# Altium PCB CSI2-IMX8M-EVK_Rev02.PcbDoc (part 1 of 2) (continued)
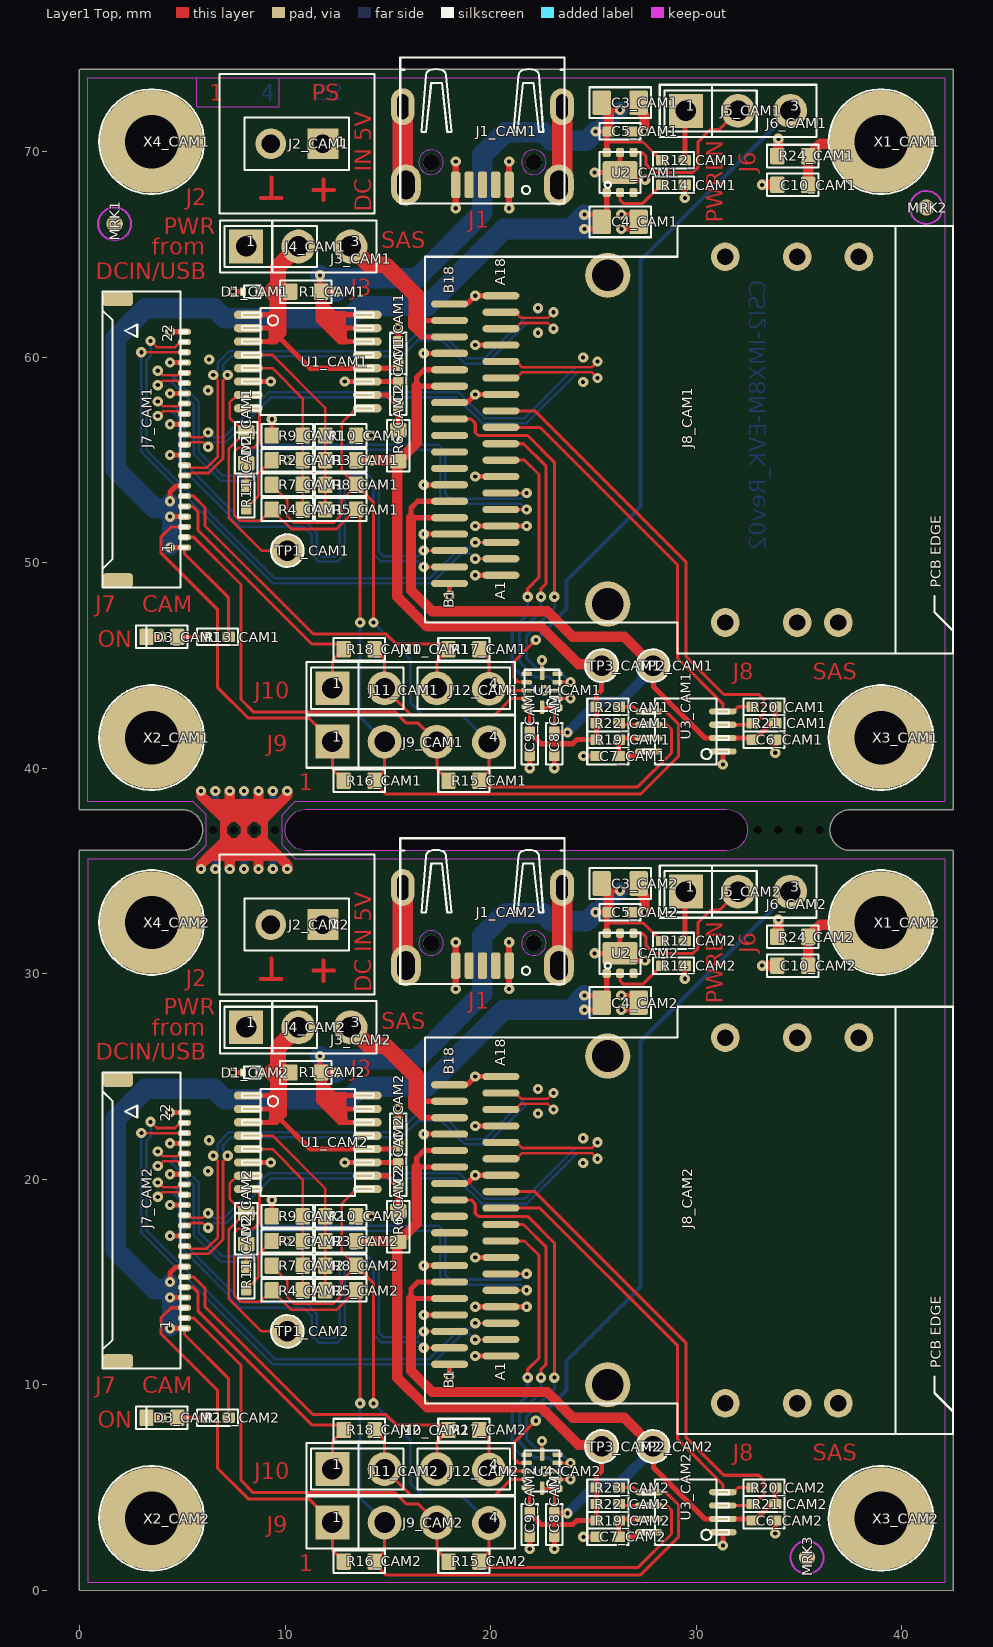
[diagram p0: Layer1 Top view]
## Components (designator, comment, footprint, x,y, rotation, side; value= is the part's Value field where it differs from the comment) (continued)
R20_CAM1 "2k0" R-0402_0.4 33.3,43 r180 top (schematic designator R20)
R20_CAM2 "2k0" R-0402_0.4 33.3,5 r180 top (schematic designator R20)
R21_CAM1 "2k0" R-0402_0.4 33.3,42.2 r180 top (schematic designator R21)
R21_CAM2 "2k0" R-0402_0.4 33.3,4.2 r180 top (schematic designator R21)
R22_CAM1 "2k0" R-0402_0.4 25.7,42.2 r180 top (schematic designator R22)
R22_CAM2 "2k0" R-0402_0.4 25.7,4.2 r180 top (schematic designator R22)
R23_CAM1 "2k0" R-0402_0.4 25.7,43 r180 top (schematic designator R23)
R23_CAM2 "2k0" R-0402_0.4 25.7,5 r180 top (schematic designator R23)
R24_CAM1 "0R0" R-0603_0.6 34.7,69.8 r180 top (schematic designator R24)
R24_CAM2 "0R0" R-0603_0.6 34.7,31.8 r180 top (schematic designator R24)
T1 "PCB Text TOP" "PCB TEXTFIELD TOP 2" 47.85,8.4 r0 top locked
T2 "PCB Text BOT" "PCB TEXTFIELD BOT 2" 47.85,8.4 r180 bottom locked
TP1_CAM1 "TP" TP_16_10 10.1,50.6 r90 top (schematic designator TP1)
TP1_CAM2 "TP" TP_16_10 10.1,12.6 r90 top (schematic designator TP1)
TP2_CAM1 "TP" TP_16_10 27.9,45 r270 top (schematic designator TP2)
TP2_CAM2 "TP" TP_16_10 27.9,7 r270 top (schematic designator TP2)
TP3_CAM1 "TP" TP_16_10 25.4,45 r0 top (schematic designator TP3)
TP3_CAM2 "TP" TP_16_10 25.4,7 r0 top (schematic designator TP3)
U1_CAM1 "INA260AIPWR" "IC-TSSOP16 6.4x5.1x1.2" 11.1,59.8 r0 top (schematic designator U1)
U1_CAM2 "INA260AIPWR" "IC-TSSOP16 6.4x5.1x1.2" 11.1,21.8 r0 top (schematic designator U1)
U2_CAM1 "TPS25200DRVT" IC-DFN06_2.0x2.0x0.8#1 26.3,69 r0 top (schematic designator U2)
U2_CAM2 "TPS25200DRVT" IC-DFN06_2.0x2.0x0.8#2 26.3,31 r0 top (schematic designator U2)
U3_CAM1 "PCA9306DCTR" IC-TSSOP8_3.15x4.25x1.3 29.5,41.8 r180 top (schematic designator U3)
U3_CAM2 "PCA9306DCTR" IC-TSSOP8_3.15x4.25x1.3 29.5,3.8 r180 top (schematic designator U3)
U4_CAM1 "NTB0104GU12,115" IC-XQFN12_1.7X2X0.5#1 22.5,43.8 r180 top (schematic designator U4)
U4_CAM2 "NTB0104GU12,115" IC-XQFN12_1.7X2X0.5#2 22.5,5.8 r180 top (schematic designator U4)
X1_CAM1 "Hole" HOLE-2.6-5.0-DK 39,70.5 r0 top (schematic designator X1)
X1_CAM2 "Hole" HOLE-2.6-5.0-DK 39,32.5 r0 top (schematic designator X1)
X2_CAM1 "Hole" HOLE-2.6-5.0-DK 3.5,41.5 r0 top (schematic designator X2)
X2_CAM2 "Hole" HOLE-2.6-5.0-DK 3.5,3.5 r0 top (schematic designator X2)
X3_CAM1 "Hole" HOLE-2.6-5.0-DK 39,41.5 r0 top (schematic designator X3)
X3_CAM2 "Hole" HOLE-2.6-5.0-DK 39,3.5 r0 top (schematic designator X3)
X4_CAM1 "Hole" HOLE-2.6-5.0-DK 3.5,70.5 r0 top (schematic designator X4)
X4_CAM2 "Hole" HOLE-2.6-5.0-DK 3.5,32.5 r0 top (schematic designator X4)

## Footprints (in the part's own frame and the unit in brackets; to place one, negate y for a bottom-side part, rotate by r counter-clockwise, add the part's x,y. Pads: shape width x height; smd on the part's side, far side on the other; paste and mask are expansions set on the pad)
C-0402_0.55 [mm]
  rrect20% 0.6x0.5 smd: 1(-0.55,0) 2(0.55,0)
  silkscreen extent -1,-0.4 1,0.4, body extent -0.53,-0.27 0.54,0.28, height 0.55
C-0603_1.0 [mm]
  rrect20% 0.7x0.8 smd: 1(-0.75,0) 2(0.75,0)
  silkscreen extent -1.25,-0.55 1.25,0.55, body extent -0.9,-0.5 0.9,0.5, height 0.99
C-0805_1.4 [mm]
  rrect20% 0.9x1.2 smd: 1(-0.9,0) 2(0.9,0)
  silkscreen extent -1.5,-0.75 1.5,0.75, body extent -1.1,-0.7 1.1,0.7, height 1.4
"CON 1x2 RM2.54" [mm]
  rect 1.5x1.5 hole 0.9: 1(0,0)
  round 1.5 hole 0.9: 2(2.54,0)
  silkscreen extent -1.27,-1.27 3.81,1.27, body extent -1.26,-1.27 3.82,1.27, height 8.57
"CON 1x3 RM2.54" [mm]
  rect 1.65x1.65 hole 1: 1(0,0)
  round 1.65 hole 1: 2(2.54,0) 3(5.08,0)
  silkscreen extent -1.27,-1.27 6.35,1.27, body extent -1.28,-1.27 6.34,1.27, height 8.57
"CON 1x4 RM2.54" [mm] "RM2.54 Connector 1x4"
  rect 1.65x1.65 hole 1: 1(0,0)
  round 1.65 hole 1: 2(2.54,0) 3(5.08,0) 4(7.62,-0.025)
  silkscreen extent -1.27,-1.27 8.89,1.27, body extent -1.28,-1.26 8.88,1.28, height 8.57
D-0603-LED [mm] "Osram Chip LED 0603"
  rrect20% 0.7x0.8 smd: A(0.75,0) K(-0.75,0)
  silkscreen extent -1.25,-0.55 1.25,0.55, body extent -0.82,-0.36 0.83,0.36, height 0.67
D-SOD923 [mm]
  rrect20% 0.3x0.4 smd: A(-0.45,0) K(0.45,0)
  silkscreen extent -0.5,-0.3 0.5,0.3, body extent -0.4,-0.3 0.4,0.3, height 0.4
HOLE-2.6-5.0-DK [mm]
  round 5 hole 2.6: 1(0,0)
  silkscreen extent -2.55,-2.55 2.55,2.55
IC-DFN06_2.0x2.0x0.8#1 [mm]
  rrect50% 0.4x0.45 smd paste-0.02: 1(-0.65,-0.975) 2(0,-0.975) 3(0.65,-0.975) 4(0.65,0.975) 5(0,0.975) 6(-0.65,0.975)
  rrect20% 1.7x1.1 smd paste-9: 7(0,0)
  silkscreen extent -1,-1 1,1, body extent -1,-1 1,1, height 0.85
IC-DFN06_2.0x2.0x0.8#2 [mm]
  rrect50% 0.4x0.45 smd: 1(-0.65,-0.975) 2(0,-0.975) 3(0.65,-0.975) 4(0.65,0.975) 5(0,0.975) 6(-0.65,0.975)
  rrect20% 1.7x1.1 smd: 7(0,0)
  silkscreen extent -1,-1 1,1, body extent -1,-1 1,1, height 0.85
IC-TSSOP8_3.15x4.25x1.3 [mm]
  oval 1.35x0.3 smd: 1(-1.8,0.975) 2(-1.8,0.325) 3(-1.8,-0.325) 4(-1.8,-0.975) 5(1.8,-0.975) 6(1.8,-0.325) 7(1.8,0.325) 8(1.8,0.975)
  silkscreen extent -2.1,-1.6 2.1,1.6, body extent -1.5,-1.6 1.5,1.6, height 1.35
"IC-TSSOP16 6.4x5.1x1.2" [mm]
  oval 1.4x0.4 smd: 1(-2.9,2.275) 2(-2.9,1.625) 3(-2.9,0.975) 4(-2.9,0.325) 5(-2.9,-0.325) 6(-2.9,-0.975) 7(-2.9,-1.625) 8(-2.9,-2.275) 9(2.9,-2.275) 10(2.9,-1.625) 11(2.9,-0.975) 12(2.9,-0.325) 13(2.9,0.325) 14(2.9,0.975) 15(2.9,1.625) 16(2.9,2.275)
  silkscreen extent -3.2,-2.6 3.2,2.6, body extent -3.2,-2.5 3.2,2.5, height 1.1
IC-XQFN12_1.7X2X0.5#1 [mm]
  rrect50% 0.5x0.32 smd paste-0.025 mask+0.05: 1(-0.75,0.85)
  rrect50% 0.5x0.22 smd paste-0.025 mask+0.05: 2(-0.75,0.4) 3(-0.75,0) 4(-0.75,-0.4) 5(-0.75,-0.8) 7(0.75,-0.8) 8(0.75,-0.4) 9(0.75,0) 10(0.75,0.4) 11(0.75,0.8)
  rrect50% 0.22x0.65 smd paste-0.02 mask+0.05: 6(0,-0.825)
  rrect50% 0.22x0.65 smd paste-0.025 mask+0.05: 12(0,0.825)
  silkscreen extent -0.85,-1 0.85,1, body extent -0.85,-1 0.85,1, height 0.6
IC-XQFN12_1.7X2X0.5#2 [mm]
  rrect50% 0.5x0.32 smd: 1(-0.75,0.85)
  rrect50% 0.5x0.22 smd: 2(-0.75,0.4) 3(-0.75,0) 4(-0.75,-0.4) 5(-0.75,-0.8) 7(0.75,-0.8) 8(0.75,-0.4) 9(0.75,0) 10(0.75,0.4) 11(0.75,0.8)
  rrect50% 0.22x0.65 smd: 6(0,-0.825) 12(0,0.825)
  silkscreen extent -0.85,-1 0.85,1, body extent -0.85,-1 0.85,1, height 0.6
J-757830132 [mm]
  round 1.4 hole 0.8: 1(-8.9,-5.72) 2(-8.9,-9.22) 3(-8.9,-11.22) 4(8.9,-12.22) 5(8.9,-9.22) 6(8.9,-5.72)
  round 2.2 hole 1.55: 7(-8,0) 8(8,0)
  oval 0.35x1.8 smd: A1(-6.6,5.2) A2(-5.8,5.2) A3(-5,5.2) A4(-4.2,5.2) A5(-3.4,5.2) A6(-2.6,5.2) A7(-1.8,5.2) A8(-1,5.2) A9(-0.2,5.2) A10(0.6,5.2) A11(1.4,5.2) A12(2.2,5.2) A13(3,5.2) A14(3.8,5.2) A15(4.6,5.2) A16(5.4,5.2) A17(6.2,5.2) A18(7,5.2) B1(-7,7.7) B2(-6.2,7.7) B3(-5.4,7.7) B4(-4.6,7.7) B5(-3.8,7.7) B6(-3,7.7) B7(-2.2,7.7) B8(-1.4,7.7) B9(-0.6,7.7) B10(0.2,7.7) B11(1,7.7) B12(1.8,7.7) B13(2.6,7.7) B14(3.4,7.7) B15(4.2,7.7) B16(5,7.7) B17(5.8,7.7) B18(6.6,7.7)
  silkscreen extent -10.4,-16.8 10.4,8.9, body extent -9.17,-16.84 9.18,9.14, height 15.18
J-629105150521 [mm]
  rrect50% 0.45x1.3 smd: 1(-1.3,0) 2(-0.65,0) 3(0,0) 4(0.65,0) 5(1.3,0)
  oval 1.15x1.8 hole 0.55 slot 1.2 at 90 deg: 6(-3.875,-3.8) 9(3.875,-3.8)
  oval 1.45x2 hole 0.85 slot 1.4 at 90 deg: 7(-3.725,0) 8(3.725,0)
  round 0.8 hole 0.8 unplated: ""(-2.5,-1.1) ""(2.5,-1.1)
  Keep-Out Layer circle w0.025: c-2.5,-1.1 r0.6
  Keep-Out Layer circle w0.025: c2.5,-1.1 r0.6
  silkscreen extent -4,-6.2 4,0.9, body extent -4,-6.25 4,0.35, height 2.67
"J-FH55-22S-0.5SH - Inverted Pins" [mm]
  oval 0.3x0.65 smd: 1(5.25,0) 2(4.75,0) 3(4.25,0) 4(3.75,0) 5(3.25,0) 6(2.75,0) 7(2.25,0) 8(1.75,0) 9(1.25,0) 10(0.75,0) 11(0.25,0) 12(-0.25,0) 13(-0.75,0) 14(-1.25,0) 15(-1.75,0) 16(-2.25,0) 17(-2.75,0) 18(-3.25,0) 19(-3.75,0) 20(-4.25,0) 21(-4.75,0) 22(-5.25,0)
  rrect50% 0.7x1.5 smd: 23(-6.85,-3.25) 24(6.85,-3.25)
  silkscreen extent -7.2,-4 7.2,0.15, body extent -7.2,-4.05 7.2,0.2, height 1.46
J-JUMPER-2.54 [mm]
  silkscreen extent -2.25,-1 2.25,1, body extent -2.5,-1.25 2.5,1.25, height 9.5
"PCB LABEL 7x7" [mm]
  silkscreen extent -3.5,-3.5 3.5,3.5, body extent -3.5,-3.5 3.5,3.5, height 0.1
"PCB TEXTFIELD BOT 2" [mm]
"PCB TEXTFIELD TOP 2" [mm]
PCB_MARKER_PAD_TOP [mm] "PCB Marker with Pad for X-/Y-Coordinates (Single Layer)"
  round 0.8 smd paste-999 mask+0.4: 1(0,0)
  Layer1 Top keep-out circle w0.1: c0,0 r0.8
R-0402_0.4 [mm]
  rrect20% 0.6x0.5 smd: 1(-0.55,0) 2(0.55,0)
  silkscreen extent -1,-0.4 1,0.4, body extent -0.53,-0.27 0.54,0.28, height 0.39
R-0603_0.6 [mm]
  rrect20% 0.7x0.8 smd: 1(-0.75,0) 2(0.75,0)
  silkscreen extent -1.25,-0.55 1.25,0.55, body extent -0.85,-0.45 0.85,0.45, height 0.59
TP_16_10 [mm] "Testpoint: Pad=1,6mm; Hole=1,0mm"
  round 1.6 hole 1: 1(0,0)
  silkscreen extent -0.8,-0.8 0.8,0.8

## Part data
C1_CAM1 C1_CAM2 C2_CAM1 C2_CAM2 C5_CAM1 C5_CAM2 C6_CAM1 C6_CAM2 C8_CAM1 C8_CAM2 C9_CAM1 C9_CAM2: library part "C 100N 10% 16V X7R 402", "Capacitor Ceramic SMD/0402/16V/X7R/10%", Dielectric=X7R, KHK Part Number=K8340114, Manufacturer=several, Supplier Part Number 1=1276-1508-1-ND, Tolerance=10%, Voltage=16V, Manufacturer Part Number=several, Supplier 1=Digi-Key, Supplier 2=Digi-Key, Supplier Part Number 2=311-1338-1-ND
C3_CAM1 C3_CAM2 C4_CAM1 C4_CAM2: library part "C 10U 16V X5R 0805", "Capacitor Ceramic SMD/0805/16V/X5R/10%", Dielectric=X5R, KHK Part Number=K8340151, Manufacturer=several, Supplier Part Number 1=478-5165-1-ND, Tolerance=10%, Voltage=16V, Manufacturer Part Number=several, Supplier 1=Digi-Key
C7_CAM1 C7_CAM2: library part "C 100P 50V X7R 0402", "Capacitor Ceramic SMD/0402/50V/X7R/10%", Dielectric=X7R, KHK Part Number=K8340145, Manufacturer=several, Supplier Part Number 1=478-1089-1-ND, Tolerance=10%, Voltage=50V, Manufacturer Part Number=several, Supplier 1=Digi-Key
C10_CAM1 C10_CAM2: library part "C X 0603", "Capacitor Ceramic SMD/0603/50V/X7R/10%", Dielectric=X7R, Manufacturer=several, Tolerance=10%, Voltage=50V, Manufacturer Part Number=several
D1_CAM1 D1_CAM2: library part "D ESD9B5.0ST5G", "DIODE TVS; 400W; 5.8-7.8V; BIDIRECT", KHK Part Number=7250, Manufacturer="ON Semiconductor", Supplier Part Number 1=ESD9B5.0ST5GOSCT-ND, Manufacturer Part Number=ESD9B5.0ST5G, Supplier 1=Digi-Key
D2_CAM1 D2_CAM2: library part "D LED 0603 red", "Chip LED red 250mcd", Color=red, Current=20mA, KHK Part Number=8145, Manufacturer=Würth, Manufacturer Part Number=150060RS75000, Supplier Part Number 1=732-4978-1-ND, Supplier 1=Digi-Key
D3_CAM1 D3_CAM2: library part "D LED 0603 green", "Chip LED green 430mcd", Color=green, Current=20mA, KHK Part Number=8172, Manufacturer=Würth, Manufacturer Part Number=150060GS75000, Supplier Part Number 1=732-4971-1-ND, Supplier 1=Digi-Key
J1_CAM1 J1_CAM2: library part "CON USB 2.0 Typ B 90°", "Micro USB 2.0 Typ B 90°", KHK Part Number=14360, Manufacturer=WE, Manufacturer Part Number="629 105 150 521", Supplier Part Number 1=732-5960-1-ND, Supplier 1=Digi-Key
J2_CAM1 J2_CAM2: library part "CON 1x2 2.54 several", "Header Vertical, 1x2 Pos, Pitch 2.54mm, Contact Length Mating 6.00mm, Contact Length Post 3.00mm, Insulation Height 2.54mm, Gold Plating", KHK Part Number=15337, Manufacturer=several, Supplier Part Number 1=WM8072-ND, Manufacturer Part Number=several, Supplier 1=Digi-Key
J3_CAM1 J3_CAM2 J6_CAM1 J6_CAM2: library part "CON 1x3 2.54 several", "Header Vertical, 1x3 Pos, Pitch 2.54mm, Contact Length Mating 6.00mm, Contact Length Post 3.00mm, Insulation Height 2.54mm, Gold Plating", KHK Part Number=15338, Manufacturer=several, Supplier Part Number 1=WM8073-ND, Manufacturer Part Number=several, Supplier 1=Digi-Key
J4_CAM1 J4_CAM2 J5_CAM1 J5_CAM2 J11_CAM1 J11_CAM2 J12_CAM1 J12_CAM2: library part "CON Jumper 2.54mm", "CON/JUMPER/STC02SYAN; 2-pin; 2.54mm; 3A; FEMALE; VERTICAL; BLACK", KHK Part Number=13444, Manufacturer=several, Supplier Part Number 1=S9000-ND, Manufacturer Part Number=several, Supplier 1=Digi-Key
J7_CAM1 J7_CAM2: library part "CON FFC22_FH55-22S-0.5SH_Inverted", "FFC Connector 0.5mm shielded", KHK Part Number=10357, Manufacturer=Hirose, Manufacturer Part Number=FH55-22S-0.5SH, Supplier Part Number 1=798-FH55-22S-0.5SH, Supplier 1=Mouser
J8_CAM1 J8_CAM2: library part "CON Molex 75783-0132", "36pin MINI SAS iPass Receptacle 0.8mm pitch", KHK Part Number=16136, Manufacturer=Molex, Supplier Part Number 1=WM1118CT-ND, Manufacturer Part Number=75783-0132, Supplier 1=Digi-Key
J9_CAM1 J9_CAM2 J10_CAM1 J10_CAM2: library part "CON 1x4 2.54 several", "Header Vertical, 1x4 Pos, Pitch 2.54mm, Contact Length Mating 6.00mm, Contact Length Post 3.00mm, Insulation Height 2.54mm, Gold Plating", KHK Part Number=15343, Manufacturer=several, Supplier Part Number 1=WM8074-ND, Manufacturer Part Number=several, Supplier 1=Digi-Key
LA1: library part "PCB LABEL 7x7", Manufacturer=several, Manufacturer Part Number=several
MRK1 MRK2 MRK3: library part "PCB Marker Pad Single Layer", "Position Marker for PCBs"
R1_CAM1 R1_CAM2 R2_CAM1 R2_CAM2 R4_CAM1 R4_CAM2 R5_CAM1 R5_CAM2 R7_CAM1 R7_CAM2 R8_CAM1 R8_CAM2 R10_CAM1 R10_CAM2 R17_CAM1 R17_CAM2 R18_CAM1 R18_CAM2: library part "R X 0603", "Standard Resistor SMD/0603/1%/100mW/TK200", Temperature Coefficient=TK100, Tolerance=1%
R3_CAM1 R3_CAM2 R6_CAM1 R6_CAM2 R9_CAM1 R9_CAM2 R15_CAM1 R15_CAM2 R16_CAM1 R16_CAM2 R24_CAM1 R24_CAM2: library part "R 0R0 1% 0603", "Standard Resistor SMD/0603/1%/100mW/TK200", KHK Part Number=K8250041, Manufacturer=several, Supplier Part Number 1=311-0.0HRCT-ND, Tolerance=1%, Manufacturer Part Number=several, Supplier 1=Digi-Key
R11_CAM1 R11_CAM2: library part "R 1k5 1% 0402", "Standard Resistor SMD/0402/1%/63mW/TK100", KHK Part Number=K8250358, Manufacturer=several, Supplier Part Number 1=311-1.50KLRCT-ND, Tolerance=1%, Manufacturer Part Number=several, Supplier 1=Digi-Key
R12_CAM1 R12_CAM2: library part "R 270K 1% 0402", "Standard Resistor SMD/0402/1%/63mW/TK100", KHK Part Number=3875, Manufacturer=several, Supplier Part Number 1=CR0402-FX-2703GLFCT-ND, Temperature Coefficient=TK100, Tolerance=1%, Manufacturer Part Number=several, Supplier 1=Digi-Key
R13_CAM1 R13_CAM2: library part "R 3K3 1% 0402", "Standard Resistor SMD/0402/1%/63mW/TK100", KHK Part Number=K8250347, Manufacturer=several, Supplier Part Number 1=311-3.30KLRCT-ND, Temperature Coefficient=TK100, Tolerance=1%, Manufacturer Part Number=several, Supplier 1=Digi-Key
R14_CAM1 R14_CAM2: library part "R 51K 1% 0402", "Standard Resistor SMD/0402/1%/63mW/TK100", KHK Part Number=K8250273, Manufacturer=several, Supplier Part Number 1=311-51.0KLRCT-ND, Temperature Coefficient=TK100, Tolerance=1%, Manufacturer Part Number=several, Supplier 1=Digi-Key
R19_CAM1 R19_CAM2: library part "R 200K 1% 0402", "Standard Resistor SMD/0402/1%/63mW/TK100", KHK Part Number=K8250280, Manufacturer=several, Supplier Part Number 1=311-200KLRCT-ND, Temperature Coefficient=TK100, Tolerance=1%, Manufacturer Part Number=several, Supplier 1=Digi-Key, Supplier 2=Arrow, Supplier 3=Arrow, Supplier Part Number 2=CRCW0402200KFKED, Supplier Part Number 3=NRC04F2003TRF
R20_CAM1 R20_CAM2 R21_CAM1 R21_CAM2 R22_CAM1 R22_CAM2 R23_CAM1 R23_CAM2: library part "R 2k0 1% 0402", "Standard Resistor SMD/0402/1%/63mW/TK100", KHK Part Number=K8250311, Manufacturer=several, Supplier Part Number 1=311-2KLRCT-ND, Temperature Coefficient=TK100, Tolerance=1%, Manufacturer Part Number=several, Supplier 1=Digi-Key
T1: library part "PCB TEXT FIELD TOP", "PCB Textfield TOP"
T2: library part "PCB TEXT FIELD BOT", "PCB Textfield BOT"
TP1_CAM1 TP1_CAM2 TP2_CAM1 TP2_CAM2 TP3_CAM1 TP3_CAM2: library part TP_16_10, "Testpoint: Pad=1,6mm; Hole=1,0mm"
U1_CAM1 U1_CAM2: library part "IC INA260", "IC/PWR/CURR SHUNT MONITOR/2.7-5.5V;4.5mR/TSSOP16/5.0x4.4x1.2mm", Manufacturer=TI, Supplier Part Number 1=296-47777-1-ND, Manufacturer Part Number=INA260AIPWR, Supplier 1=Digi-Key
U2_CAM1 U2_CAM2: library part "IC  TPS25200DRVT", "IC/PWR/LOADSW;2V5-6V5;2A5;0R099/6-WDFN/2x2x0.8mm", KHK Part Number=14277, Manufacturer="Texas Instruments", Supplier Part Number 1=296-37760-1-ND, I max=2.5A, Manufacturer Part Number=TPS25200DRVT, Supplier 1=Digi-Key, Vin=2.5V-6.5V
U3_CAM1 U3_CAM2: library part "IC PCA9306DCTR", "IC/LOGIC/LEVELSHIFTER;I2C;AUTO-DIR;1V2-5V/SSOP-8/4.25x3.15x1.3mm", KHK Part Number=9555, Manufacturer=TI, Supplier Part Number 1=296-18509-1-ND, Manufacturer Part Number=PCA9306DCTR, Supplier 1=Digi-Key
U4_CAM1 U4_CAM2: library part "IC NTB0104GU12,115", "IC/LOGIC/Levelshifter;Auto-Dir;Bidirectional;Push-Pull;-40-+125°C/", KHK Part Number=14383, Manufacturer=NXP, Supplier Part Number 1=568-5204-1-ND, Manufacturer Part Number=NTB0104GU12,115, Supplier 1=Digi-Key
X1_CAM1 X1_CAM2 X2_CAM1 X2_CAM2 X3_CAM1 X3_CAM2 X4_CAM1 X4_CAM2: library part "PCB HOLE M2.5-5-DK", "HOLE M2.5"

## Free pads (board coordinates)
  round 0 hole 0.4 unplated: 2(6.5,37) 2(7.5,37) 2(8.5,37) 2(9.5,37) 2(33,37) 2(34,37) 2(35,37) 2(36,37)
  round 0 hole 2 slot 22.5 at 0 deg unplated: 2(21.25,37)

## Via types
v1: diameter 0.5, hole 0.2, Layer1 Top to Layer4 Bottom, 190 vias

## Nets (pads, with @x,y where several pads share a name; then routed paths per layer and width w, separated by ;. In a path a pad name is that pad's centre, name@x,y a point inside that pad or via, vN(x,y) a via of type N, cw(c..) or ccw(c..) an arc to the next point about the centre after c; other vN are vias at no path point)
B7-CSI2-TXC_CAM1_N: J7_CAM1.14 J8_CAM1.B2 | length 27.8
  Layer1 Top w0.125: v1@3.836,57.15 4.061,57.375 4.504,57.375 4.764,57.375 4.889,57.25 J7_CAM1.14@5.1,57.25 ; v1(16.75,49.8) J8_CAM1.B2@18,49.8
  Layer4 Bottom w0.125: v1(3.8,57.15) 3.836,57.15 4.061,57.375 4.5,57.375 4.85,57.025 4.85,54.75 7.85,51.75 10.9,51.75 11.25,51.4 11.3,51.35 11.3,50.4 11.65,50.05 12.55,50.05 12.9,50.4 12.9,53.646 13.304,54.05 13.896,54.05 14.3,53.646 14.3,50.446 14.671,50.075 16.475,50.075 v1(16.75,49.8)
B7-CSI2-TXC_CAM1_P: J7_CAM1.15 J8_CAM1.B3 | length 27.8
  Layer1 Top w0.125: v1@3.836,57.85 4.061,57.625 4.4,57.625 4.764,57.625 4.889,57.75 J7_CAM1.15@5.1,57.75 ; v1(16.75,50.6) J8_CAM1.B3@18,50.6
  Layer4 Bottom w0.125: v1(3.8,57.85) 3.836,57.85 4.061,57.625 4.604,57.625 5.1,57.129 5.1,54.854 7.954,52 11.004,52 11.55,51.454 11.55,50.504 11.754,50.3 12.446,50.3 12.65,50.504 12.65,53.75 13.2,54.3 14,54.3 14.55,53.75 14.55,50.55 14.775,50.325 16.475,50.325 v1(16.75,50.6)
B7-CSI2-TXC_CAM2_N: J7_CAM2.14 J8_CAM2.B2 | length 27.8
  Layer1 Top w0.125: v1@3.836,19.15 4.061,19.375 4.504,19.375 4.764,19.375 4.889,19.25 J7_CAM2.14@5.1,19.25 ; v1(16.75,11.8) J8_CAM2.B2@18,11.8
  Layer4 Bottom w0.125: v1(3.8,19.15) 3.836,19.15 4.061,19.375 4.5,19.375 4.85,19.025 4.85,16.75 7.85,13.75 10.9,13.75 11.25,13.4 11.3,13.35 11.3,12.4 11.65,12.05 12.55,12.05 12.9,12.4 12.9,15.646 13.304,16.05 13.896,16.05 14.3,15.646 14.3,12.446 14.671,12.075 16.475,12.075 v1(16.75,11.8)
B7-CSI2-TXC_CAM2_P: J7_CAM2.15 J8_CAM2.B3 | length 27.8
  Layer1 Top w0.125: v1@3.836,19.85 4.061,19.625 4.4,19.625 4.764,19.625 4.889,19.75 J7_CAM2.15@5.1,19.75 ; v1(16.75,12.6) J8_CAM2.B3@18,12.6
  Layer4 Bottom w0.125: v1(3.8,19.85) 3.836,19.85 4.061,19.625 4.604,19.625 5.1,19.129 5.1,16.854 7.954,14 11.004,14 11.55,13.454 11.55,12.504 11.754,12.3 12.446,12.3 12.65,12.504 12.65,15.75 13.2,16.3 14,16.3 14.55,15.75 14.55,12.55 14.775,12.325 16.475,12.325 v1(16.75,12.6)
B7-CSI2-TXD0_CAM1_N: J7_CAM1.20 J8_CAM1.A2 | length 27.8
  Layer1 Top w0.125: v1(3,60.25) v1(3,60.25) 3.101,60.15 3.201,60.25 J7_CAM1.20@5.1,60.25 ; v1(19.25,50.2) J8_CAM1.A2@20.5,50.2
  Layer4 Bottom w0.125: v1@3,60.15 3,55.4 9.4,49 17.125,49 18.6,50.475 18.975,50.475 v1(19.25,50.2)
B7-CSI2-TXD0_CAM1_P: J7_CAM1.21 J8_CAM1.A3 | length 27.8
  Layer1 Top w0.125: v1(3.45,60.8) 3.75,60.5 4.639,60.5 4.889,60.75 J7_CAM1.21@5.1,60.75 ; v1(19.25,51) J8_CAM1.A3@20.5,51
  Layer4 Bottom w0.125: v1(3.45,60.8) 3.45,60.1 3.438,60.087 3.438,60.069 3.25,59.881 3.25,55.504 9.504,49.25 17.021,49.25 18.496,50.725 18.975,50.725 v1(19.25,51)
B7-CSI2-TXD0_CAM2_N: J7_CAM2.20 J8_CAM2.A2 | length 27.8
  Layer1 Top w0.125: v1(3,22.25) v1(3,22.25) 3.101,22.15 3.201,22.25 J7_CAM2.20@5.1,22.25 ; v1(19.25,12.2) J8_CAM2.A2@20.5,12.2
  Layer4 Bottom w0.125: v1@3,22.15 3,17.4 9.4,11 17.125,11 18.6,12.475 18.975,12.475 v1(19.25,12.2)
B7-CSI2-TXD0_CAM2_P: J7_CAM2.21 J8_CAM2.A3 | length 27.8
  Layer1 Top w0.125: v1(3.45,22.8) 3.75,22.5 4.639,22.5 4.889,22.75 J7_CAM2.21@5.1,22.75 ; v1(19.25,13) J8_CAM2.A3@20.5,13
  Layer4 Bottom w0.125: v1(3.45,22.8) 3.45,22.1 3.438,22.087 3.438,22.069 3.25,21.881 3.25,17.504 9.504,11.25 17.021,11.25 18.496,12.725 18.975,12.725 v1(19.25,13)
B7-CSI2-TXD1_CAM1_N: J7_CAM1.17 J8_CAM1.A5 | length 27.8
  Layer1 Top w0.125: v1(3.8,58.65) 3.836,58.65 4.061,58.875 4.504,58.875 4.764,58.875 4.889,58.75 J7_CAM1.17@5.1,58.75 ; J8_CAM1.A5@20.5,52.6 v1(21.75,52.6)
  Layer4 Bottom w0.125: v1(3.8,58.65) 3.836,58.65 4.061,58.875 4.394,58.875 5.55,57.719 5.55,55.3 6.85,54 8.354,54 8.65,54.296 8.65,55.35 8.8,55.5 17.35,55.5 17.55,55.3 17.55,53.25 17.924,52.876 21.209,52.876 21.474,52.876 v1(21.75,52.6)
B7-CSI2-TXD1_CAM1_P: J7_CAM1.18 J8_CAM1.A6 | length 27.8
  Layer1 Top w0.125: v1(3.8,59.35) 3.836,59.35 4.061,59.125 4.4,59.125 4.764,59.125 4.889,59.25 J7_CAM1.18@5.1,59.25 ; J8_CAM1.A6@20.5,53.4 v1(21.75,53.4)
  Layer4 Bottom w0.125: v1(3.8,59.35) 3.836,59.35 4.061,59.125 4.497,59.125 5.8,57.822 5.8,55.404 6.954,54.25 8.25,54.25 8.4,54.4 8.4,55.454 8.696,55.75 17.454,55.75 17.8,55.404 17.8,53.354 18.027,53.126 21.312,53.126 21.473,53.126 21.746,53.4 v1(21.75,53.4)
B7-CSI2-TXD1_CAM2_N: J7_CAM2.17 J8_CAM2.A5 | length 27.8
  Layer1 Top w0.125: v1(3.8,20.65) 3.836,20.65 4.061,20.875 4.504,20.875 4.764,20.875 4.889,20.75 J7_CAM2.17@5.1,20.75 ; J8_CAM2.A5@20.5,14.6 v1(21.75,14.6)
  Layer4 Bottom w0.125: v1(3.8,20.65) 3.836,20.65 4.061,20.875 4.394,20.875 5.55,19.719 5.55,17.3 6.85,16 8.354,16 8.65,16.296 8.65,17.35 8.8,17.5 17.35,17.5 17.55,17.3 17.55,15.25 17.924,14.876 21.209,14.876 21.474,14.876 v1(21.75,14.6)
B7-CSI2-TXD1_CAM2_P: J7_CAM2.18 J8_CAM2.A6 | length 27.8
  Layer1 Top w0.125: v1(3.8,21.35) 3.836,21.35 4.061,21.125 4.4,21.125 4.764,21.125 4.889,21.25 J7_CAM2.18@5.1,21.25 ; J8_CAM2.A6@20.5,15.4 v1(21.75,15.4)
  Layer4 Bottom w0.125: v1(3.8,21.35) 3.836,21.35 4.061,21.125 4.497,21.125 5.8,19.822 5.8,17.404 6.954,16.25 8.25,16.25 8.4,16.4 8.4,17.454 8.696,17.75 17.454,17.75 17.8,17.404 17.8,15.354 18.027,15.126 21.312,15.126 21.473,15.126 21.746,15.4 v1(21.75,15.4)
B7-CSI2-TXD2_CAM1_N: J7_CAM1.11 J8_CAM1.A13 | length 27.8
  Layer1 Top w0.125: J7_CAM1.11@5.1,55.75 5.311,55.75 5.436,55.875 5.8,55.875 5.989,55.875 6.214,55.65 v1(6.25,55.65) ; J8_CAM1.A13@20.5,59 21.25,59 21.525,59.275 24.925,59.275 v1(25.2,59)
  Layer4 Bottom w0.125: v1(6.25,55.65) 6.286,55.65 6.511,55.875 7.129,55.875 9.304,58.05 18.346,58.05 19.596,56.8 21.754,56.8 24.229,59.275 24.925,59.275 v1(25.2,59)
B7-CSI2-TXD2_CAM1_P: J7_CAM1.12 J8_CAM1.A14 | length 27.8
  Layer1 Top w0.125: J7_CAM1.12@5.1,56.25 5.311,56.25 5.436,56.125 5.696,56.125 5.989,56.125 6.214,56.35 v1(6.25,56.35) ; J8_CAM1.A14@20.5,59.8 21.25,59.8 21.525,59.525 24.925,59.525 v1(25.2,59.8)
  Layer4 Bottom w0.125: v1(6.25,56.35) 6.286,56.35 6.511,56.125 7.025,56.125 9.2,58.3 18.45,58.3 19.7,57.05 21.65,57.05 24.125,59.525 24.925,59.525 v1(25.2,59.8)
B7-CSI2-TXD2_CAM2_N: J7_CAM2.11 J8_CAM2.A13 | length 27.8
  Layer1 Top w0.125: J7_CAM2.11@5.1,17.75 5.311,17.75 5.436,17.875 5.8,17.875 5.989,17.875 6.214,17.65 v1(6.25,17.65) ; J8_CAM2.A13@20.5,21 21.25,21 21.525,21.275 24.925,21.275 v1(25.2,21)
  Layer4 Bottom w0.125: v1(6.25,17.65) 6.286,17.65 6.511,17.875 7.129,17.875 9.304,20.05 18.346,20.05 19.596,18.8 21.754,18.8 24.229,21.275 24.925,21.275 v1(25.2,21)
B7-CSI2-TXD2_CAM2_P: J7_CAM2.12 J8_CAM2.A14 | length 27.8
  Layer1 Top w0.125: J7_CAM2.12@5.1,18.25 5.311,18.25 5.436,18.125 5.696,18.125 5.989,18.125 6.214,18.35 v1(6.25,18.35) ; J8_CAM2.A14@20.5,21.8 21.25,21.8 21.525,21.525 24.925,21.525 v1(25.2,21.8)
  Layer4 Bottom w0.125: v1(6.25,18.35) 6.286,18.35 6.511,18.125 7.025,18.125 9.2,20.3 18.45,20.3 19.7,19.05 21.65,19.05 24.125,21.525 24.925,21.525 v1(25.2,21.8)
B7-CSI2-TXD3_CAM1_N: J7_CAM1.8 J8_CAM1.A16 | length 27.8
  Layer1 Top w0.125: J7_CAM1.8@5.1,54.25 5.311,54.25 5.436,54.375 6.275,54.375 6.975,55.075 6.975,58.889 7.2,59.114 v1(7.2,59.15) ; J8_CAM1.A16@20.454,61.4 21.204,61.4 21.479,61.675 22.779,61.675 v1(23.054,61.4)
  Layer4 Bottom w0.125: v1(7.2,59.15) 7.2,59.186 6.975,59.411 6.975,59.544 6.975,59.65 7.375,60.05 9.85,60.05 15.654,60.05 16.454,60.85 17.6,60.85 18.75,59.7 19.8,59.7 21.775,61.675 22.779,61.675 v1(23.054,61.4)
B7-CSI2-TXD3_CAM1_P: J7_CAM1.9 J8_CAM1.A17 | length 27.8
  Layer1 Top w0.125: J7_CAM1.9@5.1,54.75 5.311,54.75 5.436,54.625 6.171,54.625 6.725,55.179 6.725,58.889 6.5,59.114 v1(6.5,59.15) ; J8_CAM1.A17@20.454,62.2 J8_CAM1.A17@20.5,62.2 21.204,62.2 21.479,61.925 22.779,61.925 v1(23.054,62.2)
  Layer4 Bottom w0.125: v1(6.5,59.15) 6.5,59.186 6.725,59.411 6.725,59.647 6.725,59.754 7.271,60.3 9.954,60.3 15.55,60.3 16.35,61.1 17.704,61.1 18.854,59.95 19.696,59.95 21.671,61.925 22.779,61.925 v1(23.054,62.2)
B7-CSI2-TXD3_CAM2_N: J7_CAM2.8 J8_CAM2.A16 | length 27.8
  Layer1 Top w0.125: J7_CAM2.8@5.1,16.25 5.311,16.25 5.436,16.375 6.275,16.375 6.975,17.075 6.975,20.889 7.2,21.114 v1(7.2,21.15) ; J8_CAM2.A16@20.454,23.4 21.204,23.4 21.479,23.675 22.779,23.675 v1(23.054,23.4)
  Layer4 Bottom w0.125: v1(7.2,21.15) 7.2,21.186 6.975,21.411 6.975,21.544 6.975,21.65 7.375,22.05 9.85,22.05 15.654,22.05 16.454,22.85 17.6,22.85 18.75,21.7 19.8,21.7 21.775,23.675 22.779,23.675 v1(23.054,23.4)
B7-CSI2-TXD3_CAM2_P: J7_CAM2.9 J8_CAM2.A17 | length 27.8
  Layer1 Top w0.125: J7_CAM2.9@5.1,16.75 5.311,16.75 5.436,16.625 6.171,16.625 6.725,17.179 6.725,20.889 6.5,21.114 v1(6.5,21.15) ; J8_CAM2.A17@20.454,24.2 J8_CAM2.A17@20.5,24.2 21.204,24.2 21.479,23.925 22.779,23.925 v1(23.054,24.2)
  Layer4 Bottom w0.125: v1(6.5,21.15) 6.5,21.186 6.725,21.411 6.725,21.647 6.725,21.754 7.271,22.3 9.954,22.3 15.55,22.3 16.35,23.1 17.704,23.1 18.854,21.95 19.696,21.95 21.671,23.925 22.779,23.925 v1(23.054,24.2)
C-GND_CAM1: C10_CAM1.2 J1_CAM1.6 J1_CAM1.7 J1_CAM1.8 J1_CAM1.9 J8_CAM1.1 J8_CAM1.2 J8_CAM1.3 J8_CAM1.4 J8_CAM1.5 J8_CAM1.6 R24_CAM1.1 X1_CAM1.1 | length 13
  Layer1 Top w0.5: C10_CAM1.2@35.45,68.4 R24_CAM1.1@35.45,69.8 35.45,69.85 35.55,69.95 35.6,69.95 36.043,70.393 38.893,70.393 X1_CAM1.1@39,70.5
  Layer1 Top w1: J1_CAM1.9@15.725,72.2 15.725,68.947 15.875,68.797 J1_CAM1.8@15.875,68.4 ; J1_CAM1.7@23.325,68.4 23.325,68.797 23.475,68.947 J1_CAM1.6@23.475,72.2
C-GND_CAM2: C10_CAM2.2 J1_CAM2.6 J1_CAM2.7 J1_CAM2.8 J1_CAM2.9 J8_CAM2.1 J8_CAM2.2 J8_CAM2.3 J8_CAM2.4 J8_CAM2.5 J8_CAM2.6 R24_CAM2.1 X1_CAM2.1 | length 13
  Layer1 Top w0.5: C10_CAM2.2@35.45,30.4 R24_CAM2.1@35.45,31.8 35.45,31.85 35.55,31.95 35.6,31.95 36.043,32.393 38.893,32.393 X1_CAM2.1@39,32.5
  Layer1 Top w1: J1_CAM2.9@15.725,34.2 15.725,30.947 15.875,30.797 J1_CAM2.8@15.875,30.4 ; J1_CAM2.7@23.325,30.4 23.325,30.797 23.475,30.947 J1_CAM2.6@23.475,34.2
EXT-GPIO0-I2C-SCL_CAM1: J7_CAM1.2 J9_CAM1.3 R15_CAM1.1 | length 21.8
  Layer1 Top w0.15: J7_CAM1.2@5.1,51.25 5.55,51.25 7.85,48.95 7.85,43.35 8.45,42.75 15.35,42.75 15.9,42.2 16.48,42.2 J9_CAM1.3@17.38,41.3 17.38,39.97 17.625,39.725 17.675,39.725 17.95,39.45 R15_CAM1.1@17.95,39.4
EXT-GPIO0-I2C-SCL_CAM2: J7_CAM2.2 J9_CAM2.3 R15_CAM2.1 | length 21.8
  Layer1 Top w0.15: J7_CAM2.2@5.1,13.25 5.55,13.25 7.85,10.95 7.85,5.35 8.45,4.75 15.35,4.75 15.9,4.2 16.48,4.2 J9_CAM2.3@17.38,3.3 17.38,1.97 17.625,1.725 17.675,1.725 17.95,1.45 R15_CAM2.1@17.95,1.4
EXT-GPIO1-I2C-SDA_CAM1: J7_CAM1.3 J9_CAM1.1 R16_CAM1.1 | length 18.7
  Layer1 Top w0.15: J7_CAM1.3@5.1,51.75 4.45,51.75 3.95,51.25 3.95,50.5 6.7,47.75 6.7,43.95 8.2,42.45 11.15,42.45 J9_CAM1.1@12.3,41.3 12.3,39.95 12.525,39.725 12.575,39.725 12.85,39.45 R16_CAM1.1@12.85,39.4
EXT-GPIO1-I2C-SDA_CAM2: J7_CAM2.3 J9_CAM2.1 R16_CAM2.1 | length 18.7
  Layer1 Top w0.15: J7_CAM2.3@5.1,13.75 4.45,13.75 3.95,13.25 3.95,12.5 6.7,9.75 6.7,5.95 8.2,4.45 11.15,4.45 J9_CAM2.1@12.3,3.3 12.3,1.95 12.525,1.725 12.575,1.725 12.85,1.45 R16_CAM2.1@12.85,1.4
EXT-GPIO2_CAM1: J7_CAM1.5 J10_CAM1.1 R18_CAM1.1 | length 13.3
  Layer1 Top w0.15: J7_CAM1.5@5.1,52.75 5.103,52.747 5.503,52.747 5.75,52.5 5.75,51.6 11.3,46.05 12.6,46.05 R18_CAM1.1@12.85,45.8 12.85,45.75 12.575,45.475 12.525,45.475 12.3,45.25 J10_CAM1.1@12.3,43.9
EXT-GPIO2_CAM2: J7_CAM2.5 J10_CAM2.1 R18_CAM2.1 | length 13.3
  Layer1 Top w0.15: J7_CAM2.5@5.1,14.75 5.103,14.747 5.503,14.747 5.75,14.5 5.75,13.6 11.3,8.05 12.6,8.05 R18_CAM2.1@12.85,7.8 12.85,7.75 12.575,7.475 12.525,7.475 12.3,7.25 J10_CAM2.1@12.3,5.9
EXT-GPIO3_CAM1: J7_CAM1.6 J10_CAM1.3 R17_CAM1.1 | length 18.5
  Layer1 Top w0.15: J7_CAM1.6@5.1,53.25 5.55,53.25 6.1,52.7 6.1,51.8 11.35,46.55 14.9,46.55 15.4,46.05 R17_CAM1.1@17.9,46.05 ; J10_CAM1.3@17.38,43.9 17.38,45.23 17.625,45.475 17.675,45.475 17.95,45.75 R17_CAM1.1@17.95,45.8
EXT-GPIO3_CAM2: J7_CAM2.6 J10_CAM2.3 R17_CAM2.1 | length 18.5
  Layer1 Top w0.15: J7_CAM2.6@5.1,15.25 5.55,15.25 6.1,14.7 6.1,13.8 11.35,8.55 14.9,8.55 15.4,8.05 R17_CAM2.1@17.9,8.05 ; J10_CAM2.3@17.38,5.9 17.38,7.23 17.625,7.475 17.675,7.475 17.95,7.75 R17_CAM2.1@17.95,7.8

## Text inside footprints (layer, text, board x,y; h text height)
T2: Mechanical 15 "Project:" at 131.35,2.4 h0.89; Mechanical 15 "2" at 103.6,-6.1 h0.5; Mechanical 15 "3" at 83.6,-6.1 h0.5; Mechanical 15 "4" at 63.6,-6.1 h0.5; Mechanical 15 "5" at 43.6,-6.1 h0.5; Mechanical 15 "6" at 23.6,-6.1 h0.5; Mechanical 15 "7" at 3.6,-6.1 h0.5; Mechanical 15 "1" at 123.6,-6.1 h0.5; Mechanical 15 "1" at 123.6,92.9 h0.5; Mechanical 15 "7" at 3.6,92.9 h0.5; Mechanical 15 "6" at 23.6,92.9 h0.5; Mechanical 15 "5" at 43.6,92.9 h0.5; Mechanical 15 "4" at 63.6,92.9 h0.5; Mechanical 15 "3" at 83.6,92.9 h0.5; Mechanical 15 "2" at 103.6,92.9 h0.5; Mechanical 15 "A" at 132.967,83.35 h0.5; Mechanical 15 "B" at 132.967,63.35 h0.5; Mechanical 15 "C" at 132.967,43.35 h0.5; Mechanical 15 "D" at 132.967,23.35 h0.5; Mechanical 15 "E" at 132.967,3.35 h0.5; Mechanical 15 "E" at -6.033,3.35 h0.5; Mechanical 15 "D" at -6.033,23.35 h0.5; Mechanical 15 "C" at -6.033,43.35 h0.5; Mechanical 15 "B" at -6.033,63.35 h0.5; Mechanical 15 "A" at -6.033,83.35 h0.5; Mechanical 15 "Layer Name:" at 99.35,2.4 h0.89; Mechanical 15 "Germany" at 84.1,6.65 h0.89; Mechanical 15 "Stadtroda" at 96.6,4.9 h0.89; Mechanical 15 "Taschenweg 2a" at 96.85,6.65 h0.89; Mechanical 15 "Allied Vision" at 106.1,6.65 h0.89; Mechanical 15 "Date:" at 131.35,-2.1 h0.89; Mechanical 15 "Title:" at 131.35,6.9 h0.89; Mechanical 15 "PCB Designer:" at 115.35,2.4 h0.89; Mechanical 15 "File Name:" at 115.35,-2.1 h0.89; Mechanical 15 "Technologies" at 106.1,5.15 h0.89; Mechanical 15 "Bare Board Number:" at 76.35,2.4 h0.89; Mechanical 15 "Bare Board Revision:" at 76.35,6.9 h0.89